# Allegro board REF_038HX-888005K4R-A100.brd (continued)
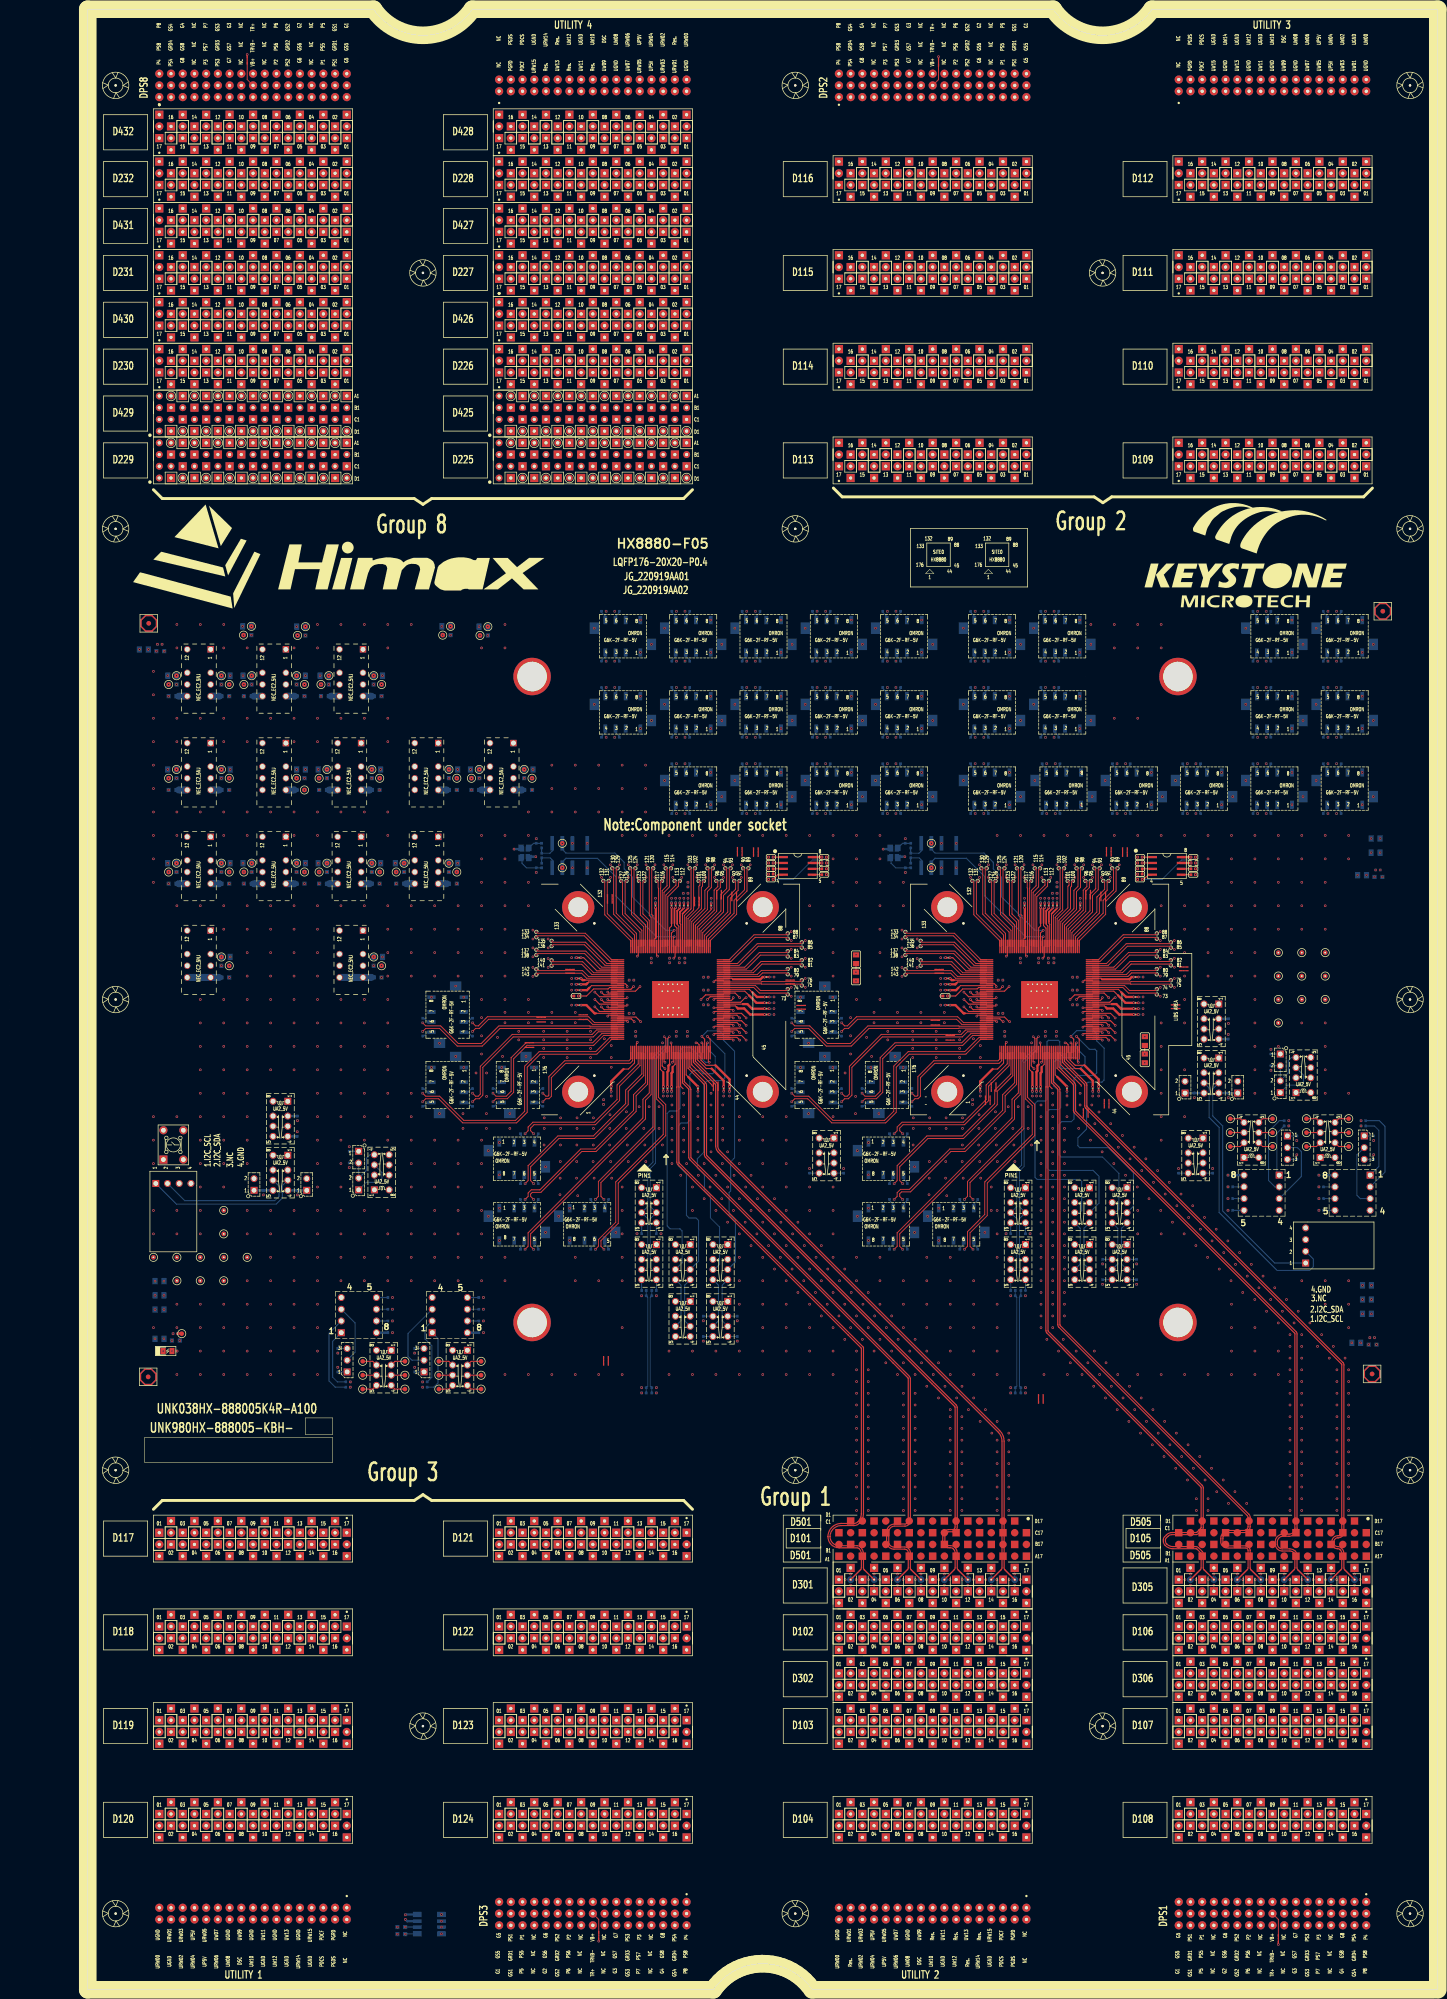
[diagram p0: board, top side]
## Routing (per net, layer and track width the routed paths; a pad name or vN(x,y) marks a point on that pad's centre or on a via; arc(x,y) is an arc through that point) (continued)
D10901: length 268.7
  TOP w0.203: SITE2.91 214.12,228.2 219.28,233.36 219.28,236.6 220.98,238.29 220.98,240.03 v2(221.27,240.33)
  L05_SIGNAL w0.135: 254.73,254.67 254.73,254.08 255.08,253.72 256.42,253.72 258.68,255.99 258.68,309.03 279.04,329.39 279.04,335.94 278.28,336.71 275.56,336.71 274.13,335.27 274.13,334.28
  L05_SIGNAL w0.145: 254.73,254.67 255,254.94 v2(255.45,254.94) ; 274.13,334.28 274.49,333.92 276.84,333.92 277.13,333.63 D109.01
  L22_SIGNAL w0.135: 254.73,254.67 254.73,246.88 260.95,240.66 260.95,239.41 260.03,238.49 242.07,238.49 241.34,239.22 241.34,242.66 242.16,243.48 251.11,243.48 251.68,244.05 251.68,246.29 251.13,246.84 238.65,246.84 238.04,246.22 238.04,236.16 237.56,235.69 235.87,235.69 235.34,236.22 235.34,246.66 235.01,247 234.24,247 233.88,246.63 233.88,236.48 233.27,235.87 232.05,235.87 231.4,236.52 231.4,246.37 230.93,246.84 227.2,246.84 226.69,246.32 226.69,241.2 226.11,240.62 225.2,240.62 224.68,241.14 224.68,246.47 224.32,246.84 223.76,246.84 222.56,245.64 222.56,245.45 222.73,245.27 222.73,245.08 222.54,244.89 222.35,244.89 222.17,245.06 221.98,245.06 220.91,243.99 220.91,240.7
  L22_SIGNAL w0.145: v2(221.27,240.33) 220.91,240.7 ; v2(255.45,254.94) 255,254.94 254.73,254.67
D10902: length 268.7
  TOP w0.203: SITE2.87 219.39,222.83 224.66,228.1 231.44,228.1 v2(231.73,227.81)
  L03_SIGNAL w0.135: 273.03,328.64 273.03,326.84 249.72,303.52 249.72,294.32 254.73,289.31 254.73,288.23
  L03_SIGNAL w0.145: v2(255.45,287.96) 255,287.96 254.73,288.23 ; 273.03,328.64 D109.02
  L22_SIGNAL w0.135: 232.1,228.17 233.91,228.17 241.64,235.91 261.52,235.91 261.97,235.46 261.97,216.18 262.59,215.56 266.52,215.56 267.05,216.1 267.05,239.93 262.47,244.51 262.47,284.79 272.49,294.81 272.49,304.56 269.91,307.14 257.33,307.14 251.91,301.72 251.91,287.08 253.08,285.91 254.22,285.91 254.73,286.42 254.73,287.69
  L22_SIGNAL w0.145: 254.73,287.69 255,287.96 v2(255.45,287.96) ; v2(231.73,227.81) 232.1,228.17
D10903: length 268.7
  TOP w0.203: v2(220.13,240.33) 220.43,240.03 220.43,238.52 218.73,236.83 218.73,233.59 213.72,228.57 SITE2.92
  L05_SIGNAL w0.135: 273.72,334.41 273.72,335.44 275.39,337.12 278.45,337.12 279.45,336.11 279.45,329.22 259.09,308.86 259.09,255.82 256.58,253.32 254.91,253.32 254.32,253.91 254.32,254.67
  L05_SIGNAL w0.145: v2(253.59,254.94) 254.05,254.94 254.32,254.67 ; D109.03 273.72,334.41
  L22_SIGNAL w0.135: 220.5,240.7 220.5,244.16 223.59,247.24 224.49,247.24 225.09,246.64 225.09,241.31 225.37,241.03 225.94,241.03 226.28,241.37 226.28,246.49 227.03,247.24 231.1,247.24 231.8,246.54 231.8,236.69 232.22,236.27 233.1,236.27 233.47,236.65 233.47,246.8 234.07,247.4 235.18,247.4 235.75,246.83 235.75,236.39 236.04,236.1 237.39,236.1 237.63,236.33 237.63,246.39 238.48,247.24 251.3,247.24 252.09,246.45 252.09,243.88 251.28,243.07 242.33,243.07 241.75,242.49 241.75,239.39 242.23,238.9 259.86,238.9 260.54,239.58 260.54,240.49 254.32,246.71 254.32,254.67
  L22_SIGNAL w0.145: 254.32,254.67 254.05,254.94 v2(253.59,254.94) ; v2(220.13,240.33) 220.5,240.7
D10904: length 268.7
  TOP w0.203: v2(231.73,228.95) 231.44,228.65 224.43,228.65 219.01,223.23 SITE2.88
  L03_SIGNAL w0.135: 254.32,288.23 254.32,289.14 249.31,294.15 249.31,303.69 272.62,327.01 272.62,328.68
  L03_SIGNAL w0.145: 272.62,328.68 272.27,329.03 269.21,329.03 269.04,329.2 269.04,329.93 269.31,330.2 D109.04 ; v2(253.59,287.96) 254.05,287.96 254.32,288.23
  L22_SIGNAL w0.135: 254.32,287.69 254.32,286.59 254.05,286.32 253.25,286.32 252.31,287.25 252.31,301.55 257.5,306.73 269.74,306.73 272.08,304.4 272.08,294.98 262.06,284.96 262.06,244.34 266.64,239.76 266.64,216.27 266.35,215.97 262.76,215.97 262.38,216.35 262.38,235.63 261.69,236.32 241.47,236.32 235.56,230.4 235.37,230.4 235.31,230.46 235.12,230.46 234.93,230.27 234.93,230.08 234.99,230.02 234.99,229.83 233.74,228.58 232.1,228.58
  L22_SIGNAL w0.145: v2(231.73,228.95) 232.1,228.58 ; 254.32,287.69 254.05,287.96 v2(253.59,287.96)
D10905: length 268.7
  TOP w0.203: v2(234.78,217.66) 234.48,217.96 226.11,217.96 226.04,218.03 SITE2.75
  L05_SIGNAL w0.135: 269.97,265.48 269.97,264.93 269.27,264.23 267.28,264.23 264.55,266.96 264.55,310.56 282.37,328.38 282.37,338.89 281.11,340.14 267.5,340.14 265.34,337.99 265.34,334.37
  L05_SIGNAL w0.145: v2(270.69,265.75) 270.24,265.75 269.97,265.48 ; D109.05 265.34,334.37
  L20_SIGNAL w0.135: 269.97,265.48 269.97,263.55 270.83,262.69 272.56,262.69 272.93,263.06 272.93,275.29 274.4,276.76 283.7,276.76 284.95,275.5 284.95,221.53 281.45,218.03 239.29,218.03 239.16,217.89 239.16,217.62 239.02,217.48 238.75,217.48 238.62,217.62 238.62,217.89 238.48,218.03 238.22,218.03 238.08,217.89 238.08,217.62 237.95,217.48 237.68,217.48 237.54,217.62 237.54,217.89 237.41,218.03 237.14,218.03 237,217.89 237,217.62 236.87,217.48 236.6,217.48 236.47,217.62 236.47,217.89 236.33,218.03 235.15,218.03
  L20_SIGNAL w0.145: v2(270.69,265.75) 270.24,265.75 269.97,265.48 ; v2(234.78,217.66) 235.15,218.03
D10906: length 268.7
  TOP w0.203: SITE2.98 211.32,231.12 214.32,234.11 214.32,238.04 215.19,238.91 215.19,242.77 v2(215.49,243.07)
  L03_SIGNAL w0.135: 262.45,328.22 262.45,321.27 245.97,304.79 245.97,292.21 254.73,283.45 254.73,282.53
  L03_SIGNAL w0.145: 262.45,328.22 D109.06 ; v2(255.45,282.26) 255,282.26 254.73,282.53
  L20_SIGNAL w0.135: 215.12,243.43 215.12,246.13 215.79,246.81 215.99,246.81 216.16,246.63 216.35,246.63 216.54,246.82 216.54,247.01 216.37,247.19 216.37,247.38 220.68,251.69 232.67,251.69 237.32,247.05 240.72,247.05 241.37,246.4 241.37,244.68 247.09,238.96 264.03,238.96 264.53,239.46 264.53,242.42 263.81,243.14 246.32,243.14 245.64,243.82 245.64,245.31 246.32,245.99 259.95,245.99 260.42,246.45 260.42,248.69 259.82,249.28 241.25,249.28 238.71,251.81 236.32,251.81 234.32,253.81 234.32,256.88 235.32,257.88 243.29,257.88 251.76,266.35 251.76,272.38 250.07,274.07 250.07,278.9 250.49,279.32 251.75,279.32 252.13,278.94 252.13,275.16 253.83,273.47 255.28,273.47 256.76,274.95 256.76,276.45 254.73,278.49 254.73,281.99
  L20_SIGNAL w0.145: v2(215.49,243.07) 215.12,243.43 ; 254.73,281.99 255,282.26 v2(255.45,282.26)
D10907: length 268.7
  TOP w0.203: v2(234.78,218.8) 234.48,218.5 226.15,218.5 226.08,218.43 SITE2.76
  L05_SIGNAL w0.135: 269.56,265.48 269.56,265.1 269.1,264.64 267.45,264.64 264.96,267.13 264.96,310.39 282.78,328.21 282.78,339.06 281.28,340.55 267.33,340.55 264.93,338.16 264.93,334.4
  L05_SIGNAL w0.145: 269.56,265.48 269.29,265.75 v2(268.83,265.75) ; D109.07 261.52,332.74 261.34,332.92 261.34,333.8 261.68,334.14 264.67,334.14 264.93,334.4
  L20_SIGNAL w0.135: 269.56,265.48 269.56,263.38 270.66,262.28 272.73,262.28 273.34,262.89 273.34,275.12 274.57,276.35 283.53,276.35 284.55,275.33 284.55,221.7 281.28,218.43 235.15,218.43
  L20_SIGNAL w0.145: 269.56,265.48 269.29,265.75 v2(268.83,265.75) ; v2(234.78,218.8) 235.15,218.43
D10908: length 268.7
  TOP w0.203: SITE2.99 210.92,231.49 213.77,234.34 213.77,238.26 214.64,239.13 214.64,242.77 v2(214.34,243.07)
  L03_SIGNAL w0.135: 262.04,328.33 262.04,321.44 245.57,304.96 245.57,292.04 254.32,283.28 254.32,282.53
  L03_SIGNAL w0.145: v2(253.59,282.26) 254.05,282.26 254.32,282.53 ; 262.04,328.33 261.35,329.03 260.52,329.03 D109.08
  L20_SIGNAL w0.135: 254.32,281.99 254.32,278.32 256.36,276.28 256.36,275.12 255.11,273.88 254,273.88 252.54,275.33 252.54,279.11 251.92,279.73 250.32,279.73 249.66,279.07 249.66,273.9 251.35,272.22 251.35,266.52 243.12,258.29 235.15,258.29 233.91,257.05 233.91,253.64 236.15,251.41 238.54,251.41 241.08,248.87 259.65,248.87 260.01,248.52 260.01,246.62 259.78,246.4 246.15,246.4 245.24,245.48 245.24,243.65 246.15,242.73 263.64,242.73 264.12,242.25 264.12,239.63 263.86,239.37 247.26,239.37 241.78,244.85 241.78,246.57 240.89,247.46 237.49,247.46 232.84,252.1 220.51,252.1 214.71,246.3 214.71,243.43
  L20_SIGNAL w0.145: 254.32,281.99 254.05,282.26 v2(253.59,282.26) ; v2(214.34,243.07) 214.71,243.43
D10909: length 268.7
  TOP w0.203: SITE2.93 213.32,229.13 217.8,233.61 217.8,237.19 219.05,238.44 219.05,242.77 v2(219.34,243.07)
  L05_SIGNAL w0.135: 255.37,334.17 255.37,336.32 251.52,340.17 234.61,340.17 231.41,336.97 231.41,315.42 248.15,298.68 248.15,267.87 251.93,264.09 254.08,264.09 254.73,264.74 254.73,265.48
  L05_SIGNAL w0.145: 254.73,265.48 255,265.75 v2(255.45,265.75) ; D109.09 255.37,334.17
  L20_SIGNAL w0.135: 254.73,265.48 254.73,264.32 256.51,262.54 256.51,256.8 255.91,256.2 253.73,256.2 253.09,256.83 253.09,260.7 252.86,260.93 250.35,260.93 250.07,260.66 250.07,256.09 249.06,255.08 242.56,255.08 241.92,254.43 241.92,253.03 242.51,252.43 259.44,252.43 263.06,248.81 265.3,248.81 266.74,247.37 266.74,236.62 265.87,235.75 243.7,235.75 230.42,249.03 222.86,249.03 220.34,246.51 220.34,246.32 220.51,246.14 220.51,245.95 220.32,245.76 220.13,245.76 219.96,245.94 219.77,245.94 218.98,245.15 218.98,243.43
  L20_SIGNAL w0.145: v2(255.45,265.75) 255,265.75 254.73,265.48 ; v2(219.34,243.07) 218.98,243.43
D10910: length 268.7
  TOP w0.203: SITE2.122 201.72,231.79 200.33,233.17 200.33,240.03 v2(200.63,240.33)
  L03_SIGNAL w0.135: 252.22,328.16 252.22,317.35 225.72,290.84 225.72,285.24 218.63,278.16 213.65,278.16 208.74,273.26 208.74,271.72
  L03_SIGNAL w0.145: 252.22,328.16 D109.10 ; 208.74,271.72 209.01,271.45 v2(209.47,271.45)
  L22_SIGNAL w0.135: 208.74,271.18 208.74,270.27 209.14,269.87 209.73,269.87 210.7,270.84 210.7,279.3 216.13,284.73 216.13,314 217.09,314.96 219.2,314.96 220.2,313.96 220.2,303.87 220.59,303.47 221.92,303.47 222.49,304.04 222.49,314.02 223.42,314.96 225.27,314.96 226.17,314.05 226.17,268.72 225.1,267.65 217.05,267.65 211.4,262 211.4,254.09 208.2,250.9 206.65,250.9 200.27,244.51 200.27,242.39 200.4,242.25 200.65,242.25 200.78,242.12 200.78,241.85 200.65,241.71 200.4,241.71 200.27,241.58 200.27,240.7
  L22_SIGNAL w0.145: v2(209.47,271.45) 209.01,271.45 208.74,271.18 ; v2(200.63,240.33) 200.27,240.7
D10911: length 268.7
  TOP w0.203: v2(218.2,243.07) 218.5,242.77 218.5,238.66 217.25,237.42 217.25,233.84 212.92,229.51 SITE2.94
  L05_SIGNAL w0.135: 254.97,334.26 254.97,336.15 251.35,339.76 234.78,339.76 231.82,336.8 231.82,315.59 248.55,298.85 248.55,268.04 252.1,264.5 253.91,264.5 254.32,264.91 254.32,265.48
  L05_SIGNAL w0.145: 254.32,265.48 254.05,265.75 v2(253.59,265.75) ; D109.11 251.25,332.74 251.06,332.93 251.06,333.6 251.36,333.9 254.61,333.9 254.97,334.26
  L20_SIGNAL w0.135: 218.57,243.43 218.57,245.32 222.69,249.44 230.59,249.44 243.87,236.16 265.7,236.16 266.33,236.79 266.33,247.2 265.13,248.4 262.89,248.4 259.27,252.02 242.34,252.02 241.51,252.86 241.51,254.6 242.39,255.49 248.89,255.49 249.67,256.26 249.67,260.82 250.18,261.34 253.03,261.34 253.5,260.87 253.5,257 253.9,256.61 255.74,256.61 256.1,256.97 256.1,262.37 254.32,264.15 254.32,265.48
  L20_SIGNAL w0.145: 254.32,265.48 254.05,265.75 v2(253.59,265.75) ; v2(218.2,243.07) 218.57,243.43
D10912: length 268.7
  TOP w0.203: v2(199.49,240.33) 199.79,240.03 199.79,232.94 201.32,231.41 SITE2.123
  L03_SIGNAL w0.135: 251.82,328.28 251.82,317.52 225.31,291.01 225.31,285.41 218.46,278.57 213.48,278.57 208.33,273.43 208.33,271.72
  L03_SIGNAL w0.145: 208.33,271.72 208.07,271.45 v2(207.61,271.45) ; 251.82,328.28 251.07,329.03 250.36,329.03 D109.12
  L22_SIGNAL w0.135: 199.86,240.7 199.86,244.68 206.48,251.31 208.03,251.31 210.99,254.26 210.99,262.17 216.88,268.06 224.93,268.06 225.76,268.89 225.76,313.88 225.1,314.55 223.59,314.55 222.89,313.85 222.89,303.87 222.09,303.06 220.42,303.06 219.79,303.7 219.79,313.79 219.03,314.55 217.26,314.55 216.54,313.83 216.54,284.56 211.11,279.13 211.11,270.67 209.9,269.46 208.97,269.46 208.33,270.1 208.33,271.18
  L22_SIGNAL w0.145: v2(207.61,271.45) 208.07,271.45 208.33,271.18 ; v2(199.49,240.33) 199.86,240.7
D10913: length 268.7
  TOP w0.203: SITE2.95 212.52,229.94 216.33,233.75 216.33,238.1 217.12,238.88 217.12,240.03 v2(217.41,240.33)
  L05_SIGNAL w0.135: 244.95,334.44 244.95,336.07 243.73,337.29 235.46,337.29 233.96,335.8 233.96,318.85 251.96,300.86 251.96,271.08 253,270.04 254.22,270.04 254.73,270.55 254.73,271.18
  L05_SIGNAL w0.145: D109.13 244.95,334.44 ; v2(255.45,271.45) 255,271.45 254.73,271.18
  L22_SIGNAL w0.135: 217.05,240.7 217.05,241.61 217.18,241.75 217.43,241.75 217.56,241.88 217.56,242.15 217.43,242.29 217.18,242.29 217.05,242.42 217.05,244.07 221.99,249.01 249.21,249.01 251.15,250.96 251.15,255.65 259.71,264.21 259.71,286.27 267.69,294.25 267.69,303.6 267.04,304.25 265.55,304.25 264.97,303.68 264.97,299.02 264.64,298.69 262.94,298.69 262.55,299.08 262.55,303.12 261.23,304.44 258.74,304.44 256.8,302.5 256.8,270.26 256.42,269.87 255.01,269.87 254.73,270.15 254.73,271.18
  L22_SIGNAL w0.145: v2(255.45,271.45) 255,271.45 254.73,271.18 ; v2(217.41,240.33) 217.05,240.7
D10914: length 268.7
  TOP w0.203: SITE2.124 200.92,230.78 198.41,233.29 198.41,242.77 v2(198.7,243.07)
  L03_SIGNAL w0.135: 208.74,282.53 208.74,283.17 210.84,285.27 215.19,285.27 219.94,290.01 219.94,295.73 242.05,317.84 242.05,328.14
  L03_SIGNAL w0.145: 242.05,328.14 D109.14 ; 208.74,282.53 209.01,282.26 v2(209.47,282.26)
  L20_SIGNAL w0.135: 208.74,281.99 208.74,281.45 209.05,281.14 209.83,281.14 210.71,282.02 210.71,294.69 214.06,298.04 214.06,315.32 215.27,316.53 221.89,316.53 223.41,315.01 223.41,303.5 224.41,302.5 228.88,302.5 229.72,303.34 229.72,313.05 231.67,315 237.55,315 238.92,313.63 238.92,297.31 236.48,294.86 229.86,294.86 226.53,291.53 226.53,282.6 225.17,281.24 221.2,281.24 219.45,279.49 219.45,266.82 218.19,265.56 213.79,265.56 202.91,254.68 202.91,252.91 198.34,248.34 198.34,245.43 198.47,245.3 198.72,245.3 198.85,245.16 198.85,244.89 198.72,244.76 198.47,244.76 198.34,244.63 198.34,243.43
  L20_SIGNAL w0.145: v2(209.47,282.26) 209.01,282.26 208.74,281.99 ; v2(198.7,243.07) 198.34,243.43
D10915: length 268.7
  TOP w0.203: v2(216.27,240.33) 216.57,240.03 216.57,239.11 215.79,238.32 215.79,233.98 212.12,230.31 SITE2.96
  L05_SIGNAL w0.135: 244.54,334.43 244.54,335.9 243.56,336.89 235.63,336.89 234.37,335.63 234.37,319.02 252.36,301.03 252.36,271.25 253.17,270.45 254.05,270.45 254.32,270.72 254.32,271.18
  L05_SIGNAL w0.145: D109.15 240.9,332.74 240.66,332.98 240.66,333.65 240.9,333.89 244,333.89 244.54,334.43 ; v2(253.59,271.45) 254.05,271.45 254.32,271.18
  L22_SIGNAL w0.135: 254.32,271.18 254.32,269.98 254.84,269.46 256.58,269.46 257.21,270.09 257.21,302.33 258.91,304.03 261.07,304.03 262.14,302.95 262.14,298.91 262.77,298.28 264.81,298.28 265.38,298.85 265.38,303.51 265.72,303.85 266.87,303.85 267.28,303.43 267.28,294.42 259.3,286.44 259.3,264.38 250.74,255.82 250.74,251.13 249.04,249.42 221.82,249.42 216.64,244.24 216.64,240.7
  L22_SIGNAL w0.145: v2(253.59,271.45) 254.05,271.45 254.32,271.18 ; v2(216.27,240.33) 216.64,240.7
D10916: length 268.7
  TOP w0.203: v2(197.56,243.07) 197.86,242.77 197.86,233.06 200.52,230.4 SITE2.125
  L03_SIGNAL w0.135: 208.33,282.53 208.33,283.34 210.67,285.67 215.02,285.67 219.53,290.18 219.53,295.9 241.64,318.01 241.64,328.32
  L03_SIGNAL w0.145: v2(207.61,282.26) 208.07,282.26 208.33,282.53 ; D109.16 240.2,329.03 240.93,329.03 241.64,328.32
  L20_SIGNAL w0.135: 197.93,243.43 197.93,248.51 202.5,253.08 202.5,254.85 213.62,265.97 218.02,265.97 219.04,266.99 219.04,279.66 221.03,281.65 225,281.65 226.12,282.77 226.12,291.7 229.69,295.27 236.31,295.27 238.51,297.48 238.51,313.46 237.38,314.59 231.84,314.59 230.13,312.88 230.13,303.17 229.05,302.09 224.25,302.09 223,303.33 223,314.84 221.72,316.12 215.44,316.12 214.47,315.15 214.47,297.87 211.12,294.52 211.12,281.85 210,280.74 208.88,280.74 208.33,281.28 208.33,281.99
  L20_SIGNAL w0.145: v2(197.56,243.07) 197.93,243.43 ; 208.33,281.99 208.07,282.26 v2(207.61,282.26)
D11001: length 268.7
  TOP w0.203: v2(231.73,220.09) 231.44,220.39 226.26,220.39 225.5,219.63 SITE2.79
  L05_SIGNAL w0.135: 269.97,271.18 269.97,270.35 269.46,269.84 268.35,269.84 267.2,270.99 267.2,309.29 285.8,327.89 285.8,356.4 284.24,357.96 276.41,357.96 275.66,357.21 275.66,354.53
  L05_SIGNAL w0.145: D110.01 275.66,354.53 ; 269.97,271.18 270.24,271.45 v2(270.69,271.45)
  L22_SIGNAL w0.135: 269.97,271.18 269.97,268.62 272.29,266.3 272.29,263.11 267.67,258.49 267.67,247.9 274.57,241 274.57,211.38 273.65,210.46 255.32,210.46 254.43,211.34 254.43,226.75 253.86,227.31 251.12,227.31 250.38,226.57 250.38,221.73 249.49,220.84 247.07,220.84 246.31,221.6 246.31,225.36 245.62,226.05 242.4,226.05 236.8,220.46 234.92,220.46 234.79,220.32 234.79,219.85 234.65,219.72 234.38,219.72 234.25,219.85 234.25,220.32 234.12,220.46 233.85,220.46 233.71,220.32 233.71,219.85 233.58,219.72 233.31,219.72 233.17,219.85 233.17,220.32 233.04,220.46 232.1,220.46
  L22_SIGNAL w0.145: v2(270.69,271.45) 270.24,271.45 269.97,271.18 ; v2(231.73,220.09) 232.1,220.46
D11002: length 268.7
  TOP w0.203: SITE2.116 204.12,238.74 204.19,238.82 204.19,240.03 v2(204.49,240.33)
  L03_SIGNAL w0.135: 272.59,348.52 272.59,342.77 267.35,337.53 236.03,337.53 232.79,334.29 232.79,317.07 208.74,293.02 208.74,288.23
  L03_SIGNAL w0.145: 272.59,348.52 D110.02 ; 208.74,288.23 209.01,287.96 v2(209.47,287.96)
  L22_SIGNAL w0.135: 204.12,240.7 204.12,241.71 204.26,241.84 204.51,241.84 204.64,241.98 204.64,242.25 204.51,242.38 204.26,242.38 204.12,242.51 204.12,244.15 214.21,254.24 214.21,260.04 217.65,263.48 227.37,263.48 229.35,265.45 229.35,315.42 227.64,317.12 214.86,317.12 212.5,314.76 212.5,286.44 211.69,285.63 209.3,285.63 208.74,286.19 208.74,287.69
  L22_SIGNAL w0.145: v2(209.47,287.96) 209.01,287.96 208.74,287.69 ; v2(204.49,240.33) 204.12,240.7
D11003: length 268.7
  TOP w0.203: SITE2.80 225.12,220.03 226.03,220.94 231.44,220.94 v2(231.73,221.23)
  L05_SIGNAL w0.135: 275.25,354.49 275.25,357.38 276.24,358.37 284.41,358.37 286.21,356.57 286.21,327.72 267.6,309.12 267.6,271.16 268.52,270.25 269.29,270.25 269.56,270.52 269.56,271.18
  L05_SIGNAL w0.145: 275.25,354.49 274.95,354.19 272.01,354.19 271.59,353.77 271.59,353.33 271.85,353.06 D110.03 ; v2(268.83,271.45) 269.29,271.45 269.56,271.18
  L22_SIGNAL w0.135: 269.56,271.18 269.56,268.45 271.88,266.13 271.88,263.28 267.26,258.66 267.26,247.73 267.38,247.61 274.16,240.83 274.16,211.55 273.48,210.87 255.49,210.87 254.84,211.51 254.84,226.92 254.03,227.72 250.95,227.72 249.97,226.74 249.97,221.9 249.32,221.25 247.24,221.25 246.72,221.77 246.72,225.53 245.79,226.46 242.23,226.46 236.63,220.87 232.1,220.87
  L22_SIGNAL w0.145: v2(268.83,271.45) 269.29,271.45 269.56,271.18 ; v2(231.73,221.23) 232.1,220.87
D11004: length 268.7
  TOP w0.203: SITE2.117 203.72,238.74 203.65,238.81 203.65,240.03 v2(203.35,240.33)
  L03_SIGNAL w0.135: 208.33,288.23 208.33,293.19 232.38,317.24 232.38,334.46 235.86,337.94 267.18,337.94 272.18,342.94 272.18,348.61
  L03_SIGNAL w0.145: 272.18,348.61 271.44,349.35 270.68,349.35 D110.04 ; 208.33,288.23 208.07,287.96 v2(207.61,287.96)
  L22_SIGNAL w0.135: 208.33,287.69 208.33,286.02 209.13,285.22 211.86,285.22 212.9,286.27 212.9,314.59 215.03,316.72 227.47,316.72 228.94,315.25 228.94,265.62 227.2,263.89 217.48,263.89 213.8,260.21 213.8,254.41 203.71,244.32 203.71,240.7
  L22_SIGNAL w0.145: 208.33,287.69 208.07,287.96 v2(207.61,287.96) ; v2(203.35,240.33) 203.71,240.7
D11005: length 268.7
  TOP w0.203: v2(231.73,215.73) 231.44,216.03 225.58,216.03 224.38,217.23 SITE2.73
  L05_SIGNAL w0.135: 264.71,355.32 264.71,357.07 268.71,361.07 285.34,361.07 288.65,357.77 288.65,326.17 273.17,310.7 273.17,255.4 271.79,254.02 270.24,254.02 269.97,254.29 269.97,254.67
  L05_SIGNAL w0.145: 269.97,254.67 270.24,254.94 v2(270.69,254.94) ; D110.05 264.71,355.32
  L22_SIGNAL w0.135: 269.97,254.67 269.97,251.54 278.23,243.28 278.23,207.99 276.18,205.94 251.42,205.94 249.23,208.13 249.23,213.97 247.1,216.1 236.98,216.1 236.84,215.96 236.84,215.69 236.71,215.55 236.44,215.55 236.31,215.69 236.31,215.96 236.17,216.1 235.9,216.1 235.77,215.96 235.77,215.69 235.63,215.55 235.36,215.55 235.23,215.69 235.23,215.96 235.09,216.1 234.82,216.1 234.69,215.96 234.69,215.69 234.56,215.55 234.29,215.55 234.15,215.69 234.15,215.96 234.02,216.1 232.1,216.1
  L22_SIGNAL w0.145: 269.97,254.67 270.24,254.94 v2(270.69,254.94) ; v2(231.73,215.73) 232.1,216.1
D11006: length 268.7
  TOP w0.203: SITE2.120 202.52,232.83 202.26,233.08 202.26,242.77 v2(202.56,243.07)
  L03_SIGNAL w0.135: 208.74,299.04 208.74,300.8 230.17,322.23 230.17,335.38 234.95,340.16 259.12,340.16 262.38,343.42 262.38,348.47
  L03_SIGNAL w0.145: 208.74,299.04 209.01,298.77 v2(209.47,298.77) ; 262.38,348.47 D110.06
  L20_SIGNAL w0.135: 202.19,243.43 202.19,244.52 202.33,244.65 202.58,244.65 202.71,244.79 202.71,245.06 202.58,245.19 202.33,245.19 202.19,245.32 202.19,247.68 206.28,251.77 206.28,255.21 213.21,262.14 219.31,262.14 221.56,264.4 221.56,277.55 222.63,278.62 227.55,278.62 229.09,280.17 229.09,290.44 230.96,292.31 239.93,292.31 241.64,294.02 241.64,317.55 238.07,321.13 212.93,321.13 210.98,319.18 210.98,298.05 210.15,297.21 209.07,297.21 208.74,297.54 208.74,298.5
  L20_SIGNAL w0.145: 208.74,298.5 209.01,298.77 v2(209.47,298.77) ; v2(202.56,243.07) 202.19,243.43
D11007: length 268.7
  TOP w0.203: SITE2.74 224.75,217.63 225.81,216.58 231.44,216.58 v2(231.73,216.87)
  L05_SIGNAL w0.135: 269.56,254.67 269.56,254.12 270.07,253.61 271.96,253.61 273.58,255.23 273.58,310.53 289.05,326 289.05,357.94 285.51,361.48 268.54,361.48 264.3,357.24 264.3,354.98
  L05_SIGNAL w0.145: 269.56,254.67 269.29,254.94 v2(268.83,254.94) ; D110.07 263.24,354.41 263.74,354.41 264.3,354.98
  L22_SIGNAL w0.135: 269.56,254.67 269.56,251.37 277.82,243.11 277.82,208.16 276.01,206.35 251.59,206.35 249.63,208.3 249.63,214.14 247.27,216.51 232.1,216.51
  L22_SIGNAL w0.145: 269.56,254.67 269.29,254.94 v2(268.83,254.94) ; v2(231.73,216.87) 232.1,216.51
D11008: length 268.7
  TOP w0.203: SITE2.121 202.12,232.45 201.72,232.85 201.72,242.77 v2(201.42,243.07)
  L03_SIGNAL w0.135: 208.33,299.04 208.33,300.97 229.76,322.4 229.76,335.55 234.78,340.57 258.95,340.57 261.98,343.59 261.98,348.6
  L03_SIGNAL w0.145: v2(207.61,298.77) 208.07,298.77 208.33,299.04 ; 261.98,348.6 261.23,349.35 260.52,349.35 D110.08
  L20_SIGNAL w0.135: 201.79,243.43 201.79,247.85 205.87,251.94 205.87,255.38 213.04,262.55 219.14,262.55 221.15,264.57 221.15,277.72 222.46,279.03 227.38,279.03 228.69,280.33 228.69,290.61 230.79,292.72 239.76,292.72 241.23,294.19 241.23,317.38 237.9,320.72 213.1,320.72 211.39,319.01 211.39,297.88 210.32,296.8 208.9,296.8 208.33,297.37 208.33,298.5
  L20_SIGNAL w0.145: v2(207.61,298.77) 208.07,298.77 208.33,298.5 ; v2(201.42,243.07) 201.79,243.43
D11009: length 268.7
  TOP w0.203: SITE2.100 210.52,231.79 213.01,234.29 213.01,238.95 213.26,239.19 213.26,240.03 v2(213.56,240.33)
  L05_SIGNAL w0.135: 255.18,354.69 255.18,358.29 252.15,361.32 232.2,361.32 226.11,355.23 226.11,301.85 228.87,299.08 228.87,290.19 227.6,288.93 227.6,280.03 232.91,274.73 232.91,260.74 235.52,258.13 235.52,254.42 236.73,253.2 238.98,253.2 239.49,253.71 239.49,254.67
  L05_SIGNAL w0.145: D110.09 255.18,354.69 ; v2(240.21,254.94) 239.76,254.94 239.49,254.67
  L22_SIGNAL w0.135: 213.19,240.7 213.19,241.78 213.32,241.92 213.57,241.92 213.71,242.05 213.71,242.32 213.57,242.46 213.32,242.46 213.19,242.59 213.19,244.09 220.3,251.2 246.26,251.2 247.28,252.23 247.28,259.53 249.25,261.5 249.25,276.95 247.9,278.3 244.4,278.3 242.78,276.67 242.78,254.83 241.88,253.93 239.77,253.93 239.49,254.21 239.49,254.67
  L22_SIGNAL w0.145: 239.49,254.67 239.76,254.94 v2(240.21,254.94) ; v2(213.56,240.33) 213.19,240.7
D11010: length 268.7
  TOP w0.203: v2(180.55,227.35) 180.84,227.05 187.88,227.05 192.51,222.43 SITE2.135
  L03_SIGNAL w0.135: 193.5,271.72 193.5,276.16 204,286.66 204,299.59 227.63,323.22 227.63,336.43 233.89,342.69 249.73,342.69 252.29,345.26 252.29,348.54
  L03_SIGNAL w0.145: 193.5,271.72 193.77,271.45 v2(194.23,271.45) ; 252.29,348.54 D110.10
  L22_SIGNAL w0.135: 193.5,271.18 193.5,270.41 194.13,269.79 196.43,269.79 198.04,271.41 198.04,303.52 199.12,304.6 202.68,304.6 203.87,303.41 203.87,272.73 196.46,265.33 196.46,254.12 190.23,247.88 190.23,246.49 189.46,245.73 187.18,245.73 186.56,245.11 186.56,240.62 185.88,239.94 184.05,239.94 178.68,234.57 178.68,230.9 178.81,230.77 179.05,230.77 179.18,230.64 179.18,230.37 179.05,230.23 178.81,230.23 178.68,230.1 178.68,229.83 178.81,229.69 179.05,229.69 179.18,229.56 179.18,229.29 179.05,229.15 178.81,229.15 178.68,229.02 178.68,227.57 179.26,226.98 180.18,226.98
  L22_SIGNAL w0.145: v2(194.23,271.45) 193.77,271.45 193.5,271.18 ; 180.18,226.98 v2(180.55,227.35)
D11011: length 268.7
  TOP w0.203: v2(212.41,240.33) 212.71,240.03 212.71,239.42 212.46,239.18 212.46,234.51 210.12,232.17 SITE2.101
  L05_SIGNAL w0.135: 239.08,254.67 239.08,253.88 238.81,253.61 236.9,253.61 235.92,254.59 235.92,258.3 233.31,260.91 233.31,274.9 228.01,280.2 228.01,288.76 229.28,290.03 229.28,299.25 226.52,302.02 226.52,355.06 232.37,360.91 251.98,360.91 254.77,358.12 254.77,354.84
  L05_SIGNAL w0.145: D110.11 251.19,353.06 250.86,353.39 250.86,354.12 251.16,354.41 254.35,354.41 254.77,354.84 ; v2(238.35,254.94) 238.81,254.94 239.08,254.67